# Altium PCB FM_V0.1.PcbDoc (part 3 of 3)
Units mm, origin at the board's own origin, x right, y up, seen from the top; angles counter-clockwise.
Board outline 99.9 x 100.1 mm, 2 copper layers (Top Layer, Bottom Layer); 147 components, 106 nets, 533 pads, 1581 vias.
Unrouted connection lines stored in the file: 2.
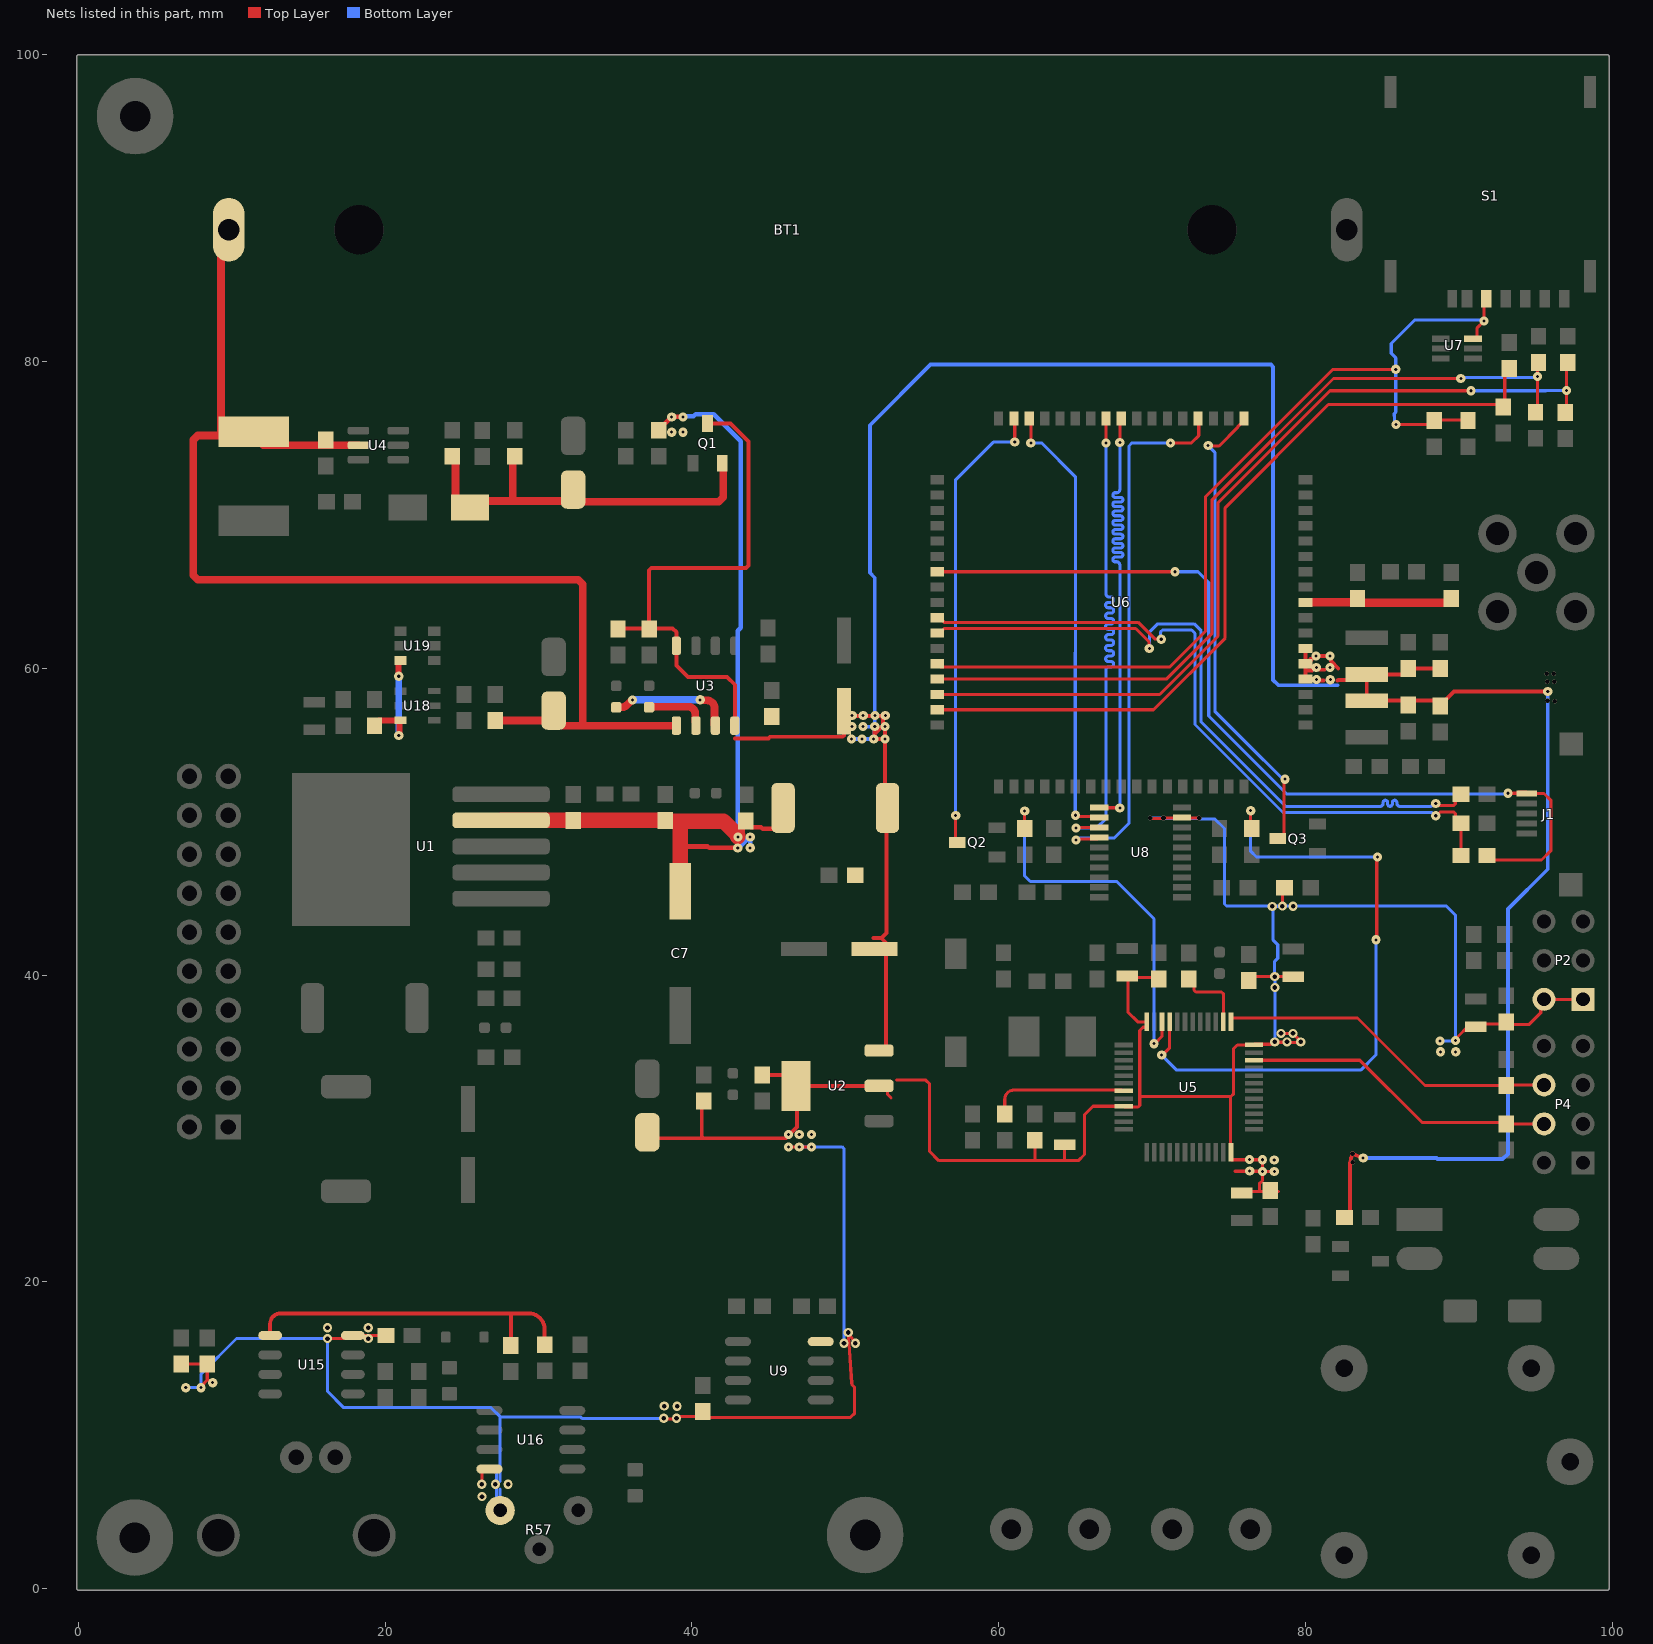
[diagram p3: the nets of this part, all layers, seen from the top]

## Via types
v1: diameter 0.3, hole 0.3, Top Layer to Bottom Layer, tented both sides, 1189 vias
v2: diameter 0.7, hole 0.3, Top Layer to Bottom Layer, tented both sides, 190 vias
v3: diameter 0.6, hole 0.2, Top Layer to Bottom Layer, tented both sides, 153 vias
v4: diameter 0.6, hole 0.3, Top Layer to Bottom Layer, tented both sides, 33 vias
v5: diameter 0.7, hole 0.3, Top Layer to Bottom Layer, 15 vias
v6: diameter 0.6, hole 0.2, Top Layer to Bottom Layer, 1 vias

## Nets (pads, with @x,y where several pads share a name; then routed paths per layer and width w, separated by ;. In a path a pad name is that pad's centre, name@x,y a point inside that pad or via, vN(x,y) a via of type N, cw(c..) or ccw(c..) an arc to the next point about the centre after c; other vN are vias at no path point) (continued)
PIN_B-: C63.1 U18.6 U19.3 | length 7.9
  Top Layer w0.4: C63.1@19.304,56.261 19.304,56.309 19.604,56.609 20.989,56.609 20.968,56.609 20.925,56.566 20.925,55.657 v3(20.887,55.619) ; U19.3@20.828,60.584 20.839,60.584 20.878,60.545 20.878,59.493 v3(20.885,59.486)
  Bottom Layer w0.4: v3(20.885,59.486) 20.885,55.621 v3(20.887,55.619)
PIN_OUT+: "L1 - 22uH.1" BT1.1 C15.1 C16.2 R8.1 U3.5 U4.5 | length 82.5
  Top Layer w0.5: 9.3,75.184 7.786,75.184 7.493,74.891 7.493,66.079 7.786,65.786 32.6,65.786 32.893,65.493 32.893,56.269 ; BT1.1@9.405,88.6 9.3,88.495 9.3,75.417 9.779,75.417 10.805,75.417 11.43,75.417 ; 9.779,75.184 10.805,75.184 10.055,75.934 ; 11.43,75.184 12.065,74.549 16.129,74.549 U4.5@18.258,74.549 ; C16.2@27.183,56.603 30.449,56.603 30.855,57.01 30.987,57.142 C15.1@30.987,57.246 ; C15.1@30.987,56.877 31.595,56.269 32.893,56.269 ; U3.5@38.988,56.269 32.893,56.269
PIN_RESET: R22.1 U5.7 | length 9
  Top Layer w0.2: R22.1@60.4,31 60.4,31.9 cw(c61,31.9) 61,32.5 68.018,32.5 U5.7@68.15,32.45
Po: R39.2 R60.2 U15.1 | length 22.2
  Top Layer w0.254: U15.1@12.5,16.505 12.5,17.259 cw(c13.189,17.257) 13.186,17.946 28.2,17.946 ; R60.2@28.2,16.199 28.2,17.946 ; R39.2@30.4,16.062 30.4,16.901 ; 30.4,16.902 ccw(c29.352,16.898) 29.352,17.946 28.2,17.946
PWR_KEY_FR_MCU: R29.2 U5.45 | length 42.4
  Top Layer w0.2: v3(70.632,34.782) 70.674,34.782 71.15,35.258 U5.45@71.15,36.95 ; v3(76.433,50.722) 76.433,49.617 R29.2@76.5,49.55 ; v3(84.6,42.3) 84.652,42.352 84.652,47.645 v3(84.704,47.696)
  Bottom Layer w0.2: v3(70.632,34.782) 71.615,33.8 83.6,33.8 84.6,34.8 v3(84.6,42.3) ; v3(76.433,50.722) 76.433,48.609 76.433,48.074 76.811,47.696 v3(84.704,47.696)
PWR_KEY_PIN: Q3.3 U6.1 | length 31.3
  Top Layer w0.2: v3(73.663,74.524) 73.687,74.5 74.374,74.5 75.6,75.726 75.6,75.75 76,76.15 U6.1@76,76.3 ; Q3.3@78.2,48.9 78.35,48.9 78.6,49.15 78.6,52.7 v3(78.674,52.774)
  Bottom Layer w0.2: v3(73.663,74.524) 74.1,74.087 74.1,57.2 76.275,55.025 78.376,52.924 78.416,52.924 78.566,52.774 v3(78.674,52.774)
RESET_PIN: Q2.3 U6.16 | length 30.1
  Top Layer w0.2: v3(57.2,50.4) 57.2,48.75 Q2.3@57.3,48.65 ; U6.16@61,76.3 61.049,76.251 v3(61.049,74.752)
  Bottom Layer w0.2: v3(57.2,50.4) 57.2,72.3 59.652,74.752 v3(61.049,74.752)
RESET_PIN_FR_MCU: R28.2 U5.46 | length 24.8
  Top Layer w0.2: R28.2@61.7,49.55 v3(61.7,50.7) ; v3(70.133,35.531) 70.177,35.531 70.65,36.004 U5.46@70.65,36.95
  Bottom Layer w0.2: v3(61.7,50.7) 61.7,46.466 62.066,46.1 67.7,46.1 70.133,43.667 v3(70.133,35.531)
RF_ANT: C38.2 R32.2 U6.60 | length 9.8
  Top Layer w0.55: U6.60@80,64.3 83.15,64.3 C38.2@83.4,64.55 83.665,64.285 89.235,64.285 R32.2@89.5,64.55
RI: U6.4 U8.4 | length 36.1
  Top Layer w0.2: v3(65.043,48.8) 65.119,48.877 66.457,48.877 U8.4@66.556,48.975 ; v3(71.2,74.7) 72.575,74.7 73.048,75.173 73.048,76.252 U6.4@73,76.3
  Bottom Layer w0.2: v3(65.043,48.8) 65.151,48.8 65.289,48.938 67.538,48.938 68.5,49.9 68.5,74.5 68.7,74.7 v3(71.2,74.7)
RXD: U6.10 U8.3 | length 35
  Top Layer w0.2: v3(65.043,49.6) 65.055,49.612 66.543,49.612 U8.3@66.556,49.625 ; v3(67,74.7) U6.10@67,76.3
  Bottom Layer w0.2: v3(65.043,49.6) 66.4,49.6 67,50.2 67,59.45 67,59.9 cw(c67.2,59.9) 67.2,60.1 67.324,60.1 ccw(c67.324,60.275) 67.499,60.275 ccw(c67.324,60.275) 67.324,60.45 67.15,60.45 cw(c67.15,60.625) 66.975,60.625 cw(c67.15,60.625) 67.15,60.8 67.324,60.8 ccw(c67.324,60.975) 67.499,60.975 ccw(c67.324,60.975) 67.324,61.15 67.15,61.15 cw(c67.15,61.325) 66.975,61.325 cw(c67.15,61.325) 67.15,61.5 67.324,61.5 ccw(c67.324,61.675) 67.499,61.675 ccw(c67.324,61.675) 67.324,61.85 67.15,61.85 cw(c67.15,62.025) 66.975,62.025 cw(c67.15,62.025) 67.15,62.2 67.324,62.2 ccw(c67.324,62.375) 67.499,62.375 ccw(c67.324,62.375) 67.324,62.55 67.15,62.55 cw(c67.15,62.725) 66.975,62.725 cw(c67.15,62.725) 67.15,62.9 67.324,62.9 ccw(c67.324,63.075) 67.499,63.075 ccw(c67.324,63.075) 67.324,63.25 67.15,63.25 cw(c67.15,63.425) 66.975,63.425 cw(c67.15,63.425) 67.15,63.6 67.324,63.6 ccw(c67.324,63.775) 67.499,63.775 ccw(c67.324,63.775) 67.324,63.95 67.15,63.95 cw(c67.15,64.125) 66.975,64.125 cw(c67.15,64.125) 67.15,64.3 67.324,64.3 ccw(c67.324,64.475) 67.499,64.475 ccw(c67.324,64.475) 67.324,64.65 67.2,64.65 cw(c67.2,64.85) 67,64.85 67,65.419 v3(67,74.7)
SIM_CLK: C47.2 R37.2 U6.32 | length 62.3
  Top Layer w0.2: U6.32@56,58.3 70.5,58.3 74.3,62.1 74.3,70.8 81.6,78.1 v3(90.8,78.1) ; R37.2@97,79.725 97.032,79.692 v3(97.032,78.11) 97.032,76.751 C47.2@97.113,76.671
  Bottom Layer w0.2: 95.683,78.1 v3(90.8,78.1) 90.805,78.105 97.027,78.105 v3(97.032,78.11)
SIM_DATA: C46.2 R38.2 U6.31 | length 55.6
  Top Layer w0.2: U6.31@56,59.3 70.934,59.3 73.9,62.266 73.9,70.966 81.834,78.9 v3(90.134,78.9) ; R38.2@94.991,79.914 95.129,79.775 v3(95.129,79.024) ; C46.2@95,76.7 95.123,76.823 95.123,78.839 95.042,78.919 v3@95,78.919
  Bottom Layer w0.2: v3(90.134,78.9) 90.189,78.955 94.983,78.955 v3@95.038,79.01
SIM_RST: C48.2 R36.2 U6.33 | length 53.2
  Top Layer w0.2: U6.33@56,57.3 70.1,57.3 74.767,61.967 74.767,70.467 81.5,77.2 C48.2@92.699,77.2 ; C48.2@92.7,77.2 92.7,76.7 93,77 R36.2@93,79.4
SIM_VDD: C49.2 C50.2 S1.1 U6.30 U7.6 | length 63.8
  Top Layer w0.2: U6.30@56,60.3 56.2,60.1 71.169,60.1 73.5,62.431 73.5,71.2 81.8,79.5 v3(85.894,79.5) ; v3(85.9,75.9) 88.15,75.9 C49.2@88.4,76.15 ; C49.2@88.4,76.2 C50.2@90.94,76.2 ; U7.6@91.2,81.639 91.2,82.2 v3(91.651,82.651) 91.651,83.693 S1.1@91.8,83.843 ; S1.1@91.58,83.741 S1.1@91.58,84.403 ; S1.1@91.8,83.87 S1.1@91.8,84.09
  Bottom Layer w0.2: v3@85.894,79.478 85.894,76.702 85.792,76.6 85.792,76.456 85.823,76.424 85.823,75.977 v3(85.9,75.9) ; v3(85.894,79.5) 85.894,80.249 85.6,80.542 85.6,81.183 87.117,82.7 91.601,82.7 v3(91.651,82.651)
SWCLK: P4.7 R9.1 U5.37 | length 22.5
  Top Layer w0.2: U5.37@75.15,36.95 75.15,37.15 75.2,37.2 76.124,37.2 83.4,37.2 87.8,32.8 R9.1@93.1,32.8 93.14,32.84 P4.7@95.56,32.84 P4.7@95.56,32.85
SWDIO: P4.6 R20.1 U5.34 | length 20.8
  Top Layer w0.2: U5.34@76.65,34.45 83.55,34.45 87.6,30.4 93,30.4 R20.1@93.1,30.3 P4.6@95.56,30.3 P4.6@95.692,30.3
TP_CH: D3.2 U3.7 | length 8
  Top Layer w0.5: D3.2@35.147,57.454 35.153,57.46 35.402,57.46 ccw(c35.402,57.96) 35.743,57.595 v3(36.12,57.947) ; v3(40.542,57.949) ccw(c40.725,58.414) 40.724,57.914 40.978,57.914 cw(c40.978,57.414) 41.478,57.414 41.478,56.319 U3.7@41.528,56.269
  Bottom Layer w0.5: v3(36.12,57.947) 37.419,57.949 ; 37.42,57.949 40.514,57.949 ccw(c40.514,58.449) 40.515,57.949 v3(40.542,57.949)
TP_STD: D19.2 U3.6 | length 4
  Top Layer w0.5: D19.2@37.211,57.466 37.311,57.501 39.727,57.501 cw(c39.727,57.001) 40.227,57.001 40.227,56.619 U3.6@40.258,56.269
TXD: U6.9 U8.1 | length 34.8
  Top Layer w0.2: U8.1@66.556,50.925 66.568,50.912 67.887,50.912 v3(67.9,50.9) ; v3(67.899,74.734) 67.899,76.199 U6.9@68,76.3
  Bottom Layer w0.2: v3@67.899,50.901 67.899,66.187 67.899,66.75 ccw(c67.699,66.75) 67.699,66.95 67.596,66.95 cw(c67.596,67.1) 67.596,67.25 67.95,67.25 ccw(c67.95,67.4) 67.95,67.55 67.596,67.55 cw(c67.596,67.7) 67.596,67.85 67.95,67.85 ccw(c67.95,68) 67.95,68.15 67.596,68.15 cw(c67.596,68.3) 67.596,68.45 67.95,68.45 ccw(c67.95,68.6) 67.95,68.75 67.596,68.75 cw(c67.596,68.9) 67.596,69.05 67.95,69.05 ccw(c67.95,69.2) 67.95,69.35 67.596,69.35 cw(c67.596,69.5) 67.596,69.65 67.95,69.65 ccw(c67.95,69.8) 67.95,69.95 67.596,69.95 cw(c67.596,70.1) 67.596,70.25 67.95,70.25 ccw(c67.95,70.4) 67.95,70.55 67.596,70.55 cw(c67.596,70.7) 67.596,70.85 67.95,70.85 ccw(c67.95,71) 67.95,71.15 67.596,71.15 cw(c67.596,71.3) 67.596,71.45 67.699,71.45 ccw(c67.699,71.65) 67.899,71.65 67.899,72.05 v3(67.899,74.734)
UBATT_LED_PIN: R23.1 U5.38 | length 4.7
  Top Layer w0.2: R23.1@72.43,39.758 72.741,39.446 72.741,39.017 72.859,38.9 74.533,38.9 74.65,38.783 U5.38@74.65,36.95
USB_N: R47.2 U6.28 | length 46.4
  Top Layer w0.2: U6.28@56,62.3 56.15,62.3 56.45,62.6 68.93,62.6 69.803,61.726 69.803,61.322 v3(69.825,61.3) ; v3(88.5,51.191) 88.608,51.191 88.752,51.047 89.653,51.047 89.77,51.164 89.77,51.42 R47.2@90.15,51.8
  Bottom Layer w0.2: v3(69.825,61.3) 69.825,62.353 70.372,62.9 72.749,62.9 73.2,62.449 73.2,56.5 78.7,51 84.766,51 84.866,51 ccw(c84.866,51.2) 85.066,51.2 85.066,51.25 cw(c85.216,51.25) 85.366,51.25 85.366,51.15 ccw(c85.516,51.15) 85.666,51.15 85.666,51.25 cw(c85.816,51.25) 85.966,51.25 85.966,51.2 ccw(c86.166,51.2) 86.166,51 87.409,51 88.201,51 88.392,51.191 v3(88.5,51.191)
USB_P: R48.2 R49.1 U6.27 | length 46.5
  Top Layer w0.2: U6.27@56,63.3 56.15,63.3 56.45,63 69.096,63 70.174,61.922 70.578,61.922 v3(70.6,61.9) ; v3(88.5,50.391) 88.549,50.391 88.805,50.647 89.66,50.647 89.778,50.53 89.778,50.3 90.178,49.9 90.2,49.9 90.15,49.85 R49.1@90.15,47.8
  Bottom Layer w0.2: v3(70.6,61.9) 70.566,61.934 70.566,62.383 70.683,62.5 72.583,62.5 72.8,62.283 72.8,56.334 78.534,50.6 80.4,50.6 80.7,50.6 81.7,50.6 82.9,50.6 84.403,50.6 84.766,50.6 84.95,50.6 88.242,50.6 88.451,50.391 v3(88.5,50.391)
VBATT: C1.1 C2.2 C13.1 C14.2 C28.2 C29.2 C30.2 C31.2 C32.2 C33.2 D2.2 Q1.3 R10.2 R12.2 R45.1 U2.3 U3.4 U3.8 U6.55 U6.56 U6.57 | length 221.4
  Top Layer w0.254: R10.2@35.179,62.572 35.218,62.611 R12.2@37.211,62.611 ; R12.2@37.211,62.572 R12.2@37.211,62.611 ; Q1.3@41.021,75.976 42.515,75.976 43.688,74.803 43.688,66.697 43.539,66.548 37.36,66.548 37.211,66.399 R12.2@37.211,62.611 ; U3.8@42.798,56.269 42.798,58.929 42.291,59.436 39.751,59.436 38.988,60.199 U3.4@38.988,61.469 38.988,62.358 38.735,62.611 R12.2@37.211,62.611 ; 42.799,55.439 44.986,55.439 45.085,55.538 49.823,55.538 49.911,55.626 49.911,56.573 50.234,56.896 51.167,56.896 51.936,56.896 52.302,56.896 52.451,56.747 52.451,56.2 v3@52.526,56.125 ; 51.83,42.418 52.343,42.418 ; v3@51.855,55.382 v3@51.873,55.4 ; v3@51.924,56.193 51.889,56.159 51.889,55.721 v3@51.889,55.416 ; U2.3@52.197,35.08 52.399,35.08 52.666,35.347 52.666,37.465 52.666,42.095 52.343,42.418 ; v3@52.4,56.2 51.921,55.721 51.921,55.448 v3@51.889,55.416 ; v3(52.6,56.2) v3@52.6,55.549 ; U6.57@80,61.3 80,60.419 U6.56@80,60.3 ; 81.185,59.199 81.183,59.201 80.79,59.201 80.708,59.284 80.016,59.284 U6.55@80,59.3 80,59.855 ; 81.249,59.913 80.94,59.913 80.805,60.048 80.618,60.048 80.425,59.855 80,59.855 ; 82.097,59.196 82.153,59.252 83.652,59.252 C28.2@84,59.6 ; 82.14,59.979 82.14,59.995 81.666,60.468 81.666,60.734 v3(81.6,60.8) 80.606,60.8 80.429,60.623 80.323,60.623 80.323,60.473 80.15,60.3 U6.56@80,60.3 ; R45.1@82.55,24.2 82.9,24.55 82.9,27.643 cw(c83.154,27.643) 82.902,27.673 82.907,27.714 cw(c83.159,27.683) 82.911,27.738 82.986,28.074 cw(c83.234,28.018) 82.991,28.09 v1(83.071,28.361) v3(83.769,28.069) ; C30.2@88.8,60 C31.2@86.7,60 86.7,59.973 86.327,59.6 C28.2@84,59.6 ; v3(95.8,58.5) 89.7,58.5 88.8,57.6 C33.2@88.8,57.55 88.45,57.9 86.7,57.9 C29.2@84,57.9 C28.2@84,59.6 ; v3@51.873,55.4 v3@51.889,55.416 ; v3@51.873,55.4 52.451,55.4 52.526,55.475 v3@52.6,55.549 ; 52.343,42.418 52.358,42.418 52.681,42.741 52.681,49.657 52.6,49.738 v3(52.6,55.4) v3@52.6,55.549 ; 80,59.855 U6.56@80,60.3
  Bottom Layer w0.254: v3(50.4,55.4) v3(51.1,55.4) 51.109,55.391 51.845,55.391 51.855,55.382 51.889,55.416 51.889,56.159 v3@51.924,56.193 ; v3@51.173,56.193 v3@51.924,56.193 ; 82.097,58.896 82.095,58.898 81.225,58.898 81.223,58.899 78.249,58.899 77.9,59.249 77.9,79.651 77.751,79.8 55.549,79.8 51.6,75.851 51.6,66.231 51.924,65.907 v3(51.924,56.2) v3@51.924,56.193 ; v3(83.769,28.069) 88.547,28.069 88.616,28 92.859,28 93.2,28.341 93.2,44.3 95.8,46.9 v3(95.8,58.5)
  other v1: 83.086,27.792 96.27,57.868 95.783,57.883 95.775,59.124 96.224,59.125 95.735,59.641 96.194,59.64
  other v3: 51.855,55.4 50.436,56.21 51.155,56.2 50.449,56.932 51.167,56.922 51.936,56.922 52.612,56.922 80.724,59.267 81.624,59.264 80.711,60.048 81.611,60.048 80.7,60.8
VBUS: J1.1 R49.2 U6.24 | length 59.1
  Top Layer w0.2: U6.24@56,66.3 v3(71.5,66.3) ; R49.2@91.85,47.8 92.15,47.5 95.4,47.5 96,48.1 96,51.4 95.556,51.844 J1.1@94.43,51.844 ; v3(93.219,51.857) 93.832,51.857 93.925,51.95 J1.1@94.43,51.95
  Bottom Layer w0.2: v3(71.5,66.3) 73,66.3 73.7,65.6 73.7,56.9 78.8,51.8 93.157,51.8 v3@93.166,51.791
VCC_3.3V_MCU: C3.1 C4.2 C9.2 C10.2 C11.2 C18.2 C21.2 C22.2 C23.2 C24.2 C25.2 C27.2 C34.2 P2.1 P2.4 R1.2 R26.2 R33.2 R50.1 R51.1 R57.3 U2.2 U5.9 U5.24 U5.36 U5.48 U8.19 U9.8 U15.8 U16.8 | length 242.4
  Top Layer w0.2: R50.1@6.7,14.65 R51.1@8.4,14.65 8.4,13.6 ; v3(8,13.1) 8,13.2 8.4,13.6 ; v3(8.756,13.426) 8.648,13.426 8.473,13.6 8.4,13.6 ; v4(16.238,16.302) v4(16.238,16.302) 17.696,16.301 U15.8@17.9,16.505 U15.8@18.483,16.505 ; U15.8@18.593,16.5 R33.2@19.95,16.5 ; R33.2@19.95,16.6 R33.2@20.05,16.5 ; v4(26.3,6.8) 26.325,6.825 26.325,7.61 26.51,7.795 U16.8@26.8,7.795 ; U16.8@27.1,7.695 U16.8@27.178,7.617 ; v4(38.161,11.102) 38.198,11.065 39.068,11.065 39.221,11.218 40.318,11.218 40.577,11.477 40.602,11.452 40.9,11.154 50.333,11.154 50.611,11.432 50.611,13.114 50.482,13.243 ; v3(46.3,28.8) v3(47,28.8) v3(47.8,28.8) v3@47.8,28.7 ; U9.8@48.4,16.105 48.42,16.125 U9.8@49.08,16.125 ; 50.482,13.243 cw(c50.624,13.384) 50.424,13.371 50.279,15.528 50.22,16.403 v4(50.2,16.7) v4(50.658,15.993) ; U2.2@52.197,32.78 52.468,32.78 52.761,32.488 52.761,32.216 52.977,32 ; 53.34,33.147 55.253,33.147 55.5,32.9 55.5,28.5 56.1,27.9 62.4,27.9 ; C25.2@62.358,29.233 62.358,27.942 62.4,27.9 ; C18.2@64.147,29.1 C18.2@64.306,28.941 64.306,28.006 64.3,28 ; v1(69.897,50.243) 69.917,50.223 70.74,50.223 70.749,50.214 70.78,50.245 71.926,50.245 U8.19@71.956,50.275 71.985,50.246 73.06,50.246 v1@73.09,50.216 ; C23.2@70.437,39.758 70.351,39.844 68.421,39.844 68.421,37.6 69.071,36.95 U5.48@69.65,36.95 69.65,36.65 69.6,36.6 69.409,36.6 69.2,36.391 69.2,31.98 ; 75.103,32.08 75.103,28.497 U5.24@75.15,28.45 ; U5.24@75.15,28.012 75.2,27.962 v3(77.196,27.962) 77.198,27.96 77.198,27.202 v3(77.2,27.2) ; 75.413,27.205 75.42,27.212 76.361,27.212 v3(76.368,27.219) 76.378,27.21 77.19,27.21 v3(77.2,27.2) ; C10.2@76,25.8 76.35,25.8 76.45,25.9 77,25.9 ; C27.2@76.4,39.65 76.65,39.9 C22.2@79.013,39.9 ; v3(77.973,27.19) 77.968,27.195 77.205,27.195 v3(77.2,27.2) ; 78.25,25.9 77,25.9 ; v4(78.407,36.2) 79.181,36.2 79.7,35.681 79.7,35.6 78.8,35.6 78.777,35.623 78.028,35.623 v4(78.005,35.646) 77.897,35.646 77.744,35.493 76.693,35.493 76.647,35.447 75.56,35.447 75.3,35.188 75.3,32.23 75.15,32.08 69.3,32.08 69.2,31.98 ; v4(78.5,44.5) 78.5,45.55 C34.2@78.65,45.7 ; v3(89.789,35.734) 89.789,35.839 90.75,36.8 92.95,36.8 C9.2@93.1,36.95 93.281,36.769 94.569,36.769 95.348,37.548 95.348,38.208 P2.4@95.56,38.42 P2.1@98.1,38.42 ; 62.4,27.9 65.2,27.9 65.6,28.3 65.6,30.9 66.15,31.45 U5.9@68.15,31.45 68.2,31.4 69.1,31.4 69.2,31.5 69.2,31.98 ; 77,25.9 77,26.396 77.2,26.596 v3(77.2,27.2)
  Top Layer w0.254: C3.1@37.211,29.365 40.767,29.365 ; C4.2@40.64,31.369 40.64,29.492 40.767,29.365 ; R1.2@44.45,33.489 R1.2@44.577,33.489 46.088,33.489 U2.2@46.797,32.78 ; U2.2@52.197,32.78 U2.2@46.797,32.78 ; 40.767,29.365 46.129,29.365 46.863,30.099 46.863,32.714 U2.2@46.797,32.78
  Bottom Layer w0.2: v3(7,13.1) v3(8,13.1) 8,14 10.302,16.302 v4(16.238,16.302) 16.238,12.862 17.3,11.8 26.9,11.8 27.5,11.2 ; 27.178,7.617 27.255,7.54 27.255,5.345 R57.3@27.5,5.1 27.5,6.5 ; 27.5,7 27.5,11.2 ; v4(38.161,11.102) 32.825,11.102 32.727,11.2 27.5,11.2 ; v3(47,28.8) 49.798,28.8 49.915,28.683 49.915,17.311 49.921,17.305 49.921,17.056 49.915,17.05 v4(49.915,15.996) ; v1(69.897,50.243) 69.911,50.229 70.735,50.229 70.764,50.2 73.073,50.2 73.09,50.216 73.137,50.169 74.106,50.169 74.721,49.554 74.721,44.638 74.859,44.5 77.816,44.5 v4(77.836,44.48) ; v4(78.005,35.646) 78.009,35.65 78.009,39.191 v4(78.013,39.194) 78.006,39.201 78.006,39.894 v4(78,39.9) 78,40.895 78.2,41.095 78.2,41.981 77.9,42.281 77.9,44.416 v4(77.836,44.48) ; v3(88.774,35.698) 88.792,35.716 89.771,35.716 89.8,35.745 89.8,43.883 89.183,44.5 79.208,44.5 v4(79.197,44.489) 79.192,44.495 78.505,44.495 v4(78.5,44.5) 78.49,44.49 77.845,44.49 v4(77.836,44.48)
  other v1: 70.749,50.243 73.09,50.243
  other v3: 77.969,27.952 76.364,27.981 46.3,29.6 47,29.6 47.8,29.6 88.8,35 89.8,35
  other v4: 26.315,6 27.185,6.807 28.015,6.8 38.997,11.102 39.037,11.89 38.2,11.9 18.9,16.302 16.238,17.003 18.9,17.003 78.8,35.646 79.7,35.646 79.193,36.2
VCC_5V_BACKUP: C12.2 C17.1 D8.2 Q1.2 R14.1 | length 26.6
  Top Layer w0.5: R14.1@24.384,73.826 24.582,73.628 24.582,71.085 25.182,70.485 25.273,70.485 25.699,70.91 28.321,70.91 31.719,70.91 32.258,71.449 32.258,71.624 32.258,71.405 32.797,70.866 41.744,70.866 42.037,71.159 Q1.2@42.037,73.477 ; 28.321,71.085 C12.2@28.321,73.699
VCC_5V_COMPARE: C7.1 C8.2 D2.1 R4.1 R5.2 R15.1 U1.4 | length 62.7
  Top Layer w0.3: R15.1@37.846,75.526 37.846,75.576 v3@38.674,76.404 ; v3@38.683,76.404 v3@38.674,76.404 ; 39.243,48.387 41.031,48.387 41.121,48.297 v3(42.991,48.297) ; v3@39.356,76.383 39.346,76.393 38.684,76.393 v3@38.674,76.404 ; v3(43,49) 43.299,49.299 43.299,49.849 43.5,50.05 43.5,50 43.85,49.65 44.503,49.65 44.623,49.53 D2.1@45.871,49.53
  Top Layer w1: U1.4@27.559,50.087 R4.1@32.131,50.087 ; R4.1@32.258,50.077 32.258,50.098 38.262,50.098 C8.2@38.262,50.084 38.262,50.034 39.134,50.034 39.243,49.925 39.243,48.387 C7.1@39.243,45.466 ; 39.243,50.038 42.062,50.038 43,49.1 v3(43,49)
  Bottom Layer w0.3: v3@39.356,76.383 39.404,76.431 40.106,76.431 40.256,76.581 41.419,76.581 43.18,74.82 43.18,62.641 43,62.461 43,48.919 43.18,48.739 43.18,48.65 ; v3(42.991,48.297) 43.044,48.297 43.747,49 v3(43.8,49) v3(43.8,48.3)
  other v3: 38.683,75.4 39.424,75.4 38.683,76.383 39.424,76.383
VDD_EXT_1V8: U6.15 U8.2 | length 29.1
  Top Layer w0.2: U6.15@62,76.3 62.1,76.2 v3(62.1,74.7) ; v3(65.019,50.424) 65.093,50.35 66.481,50.35 U8.2@66.556,50.275
  Bottom Layer w0.2: v3(62.1,74.7) 62.8,74.7 65,72.5 65,61.031 64.993,61.024 64.993,50.45 v3(65.019,50.424)
pads on no net: AT1.2 BT1. C26.0 C36.0 D11.0 D12.0 J1.4 P4.3 P4.4 RL1.2 S1.6 S1.CD U4.6 U5.1 U5.2 U5.3 U5.4 U5.18 U5.29 U5.30 U5.31 U5.32 U5.33 U5.39 U5.40 U6.3 U6.5 U6.6 U6.7 U6.8 U6.11 U6.12 U6.13 U6.14 U6.19 U6.20 U6.21 U6.22 U6.23 U6.25 U6.26 U6.34 U6.35 U6.36 U6.37 U6.38 U6.40 U6.41 U6.42 U6.43 U6.44 U6.47 U6.48 U6.49 U6.50 U6.51 U6.53 U6.66 U6.67 U6.68 U7.0 U7.1 U8.5 U8.6 U8.7 U8.8 U8.13 U8.14 U8.15 U8.16 U9.5 U9.6 U9.7 U16.5 U16.6 U16.7 U18.4 U19.2 U19.5

## Keep-outs
Keep-Out Layer:
  lines w0.2: 0,0 0,21.6 0,99.9 99.7,99.9 99.7,23.6 99.7,0 0,0

## Other copper
Top Layer:
  drawing of 321 lines, arcs and shapes, not listed
Bottom Layer:
  drawing of 259 lines, arcs and shapes, not listed

## Silkscreen, mask and mechanical layers (free items; w line width, h text height)
Top Overlay:
  drawing of 745 lines, arcs and shapes, not listed

## Dimensions
-0.2,99.9 to -0.1,0 on Mechanical 10 - Dimension
-0.1,99.9 to 99.7,100 on Mechanical 10 - Dimension

## Text inside footprints (layer, text, board x,y; h text height)
J1: Top Overlay "USB" at 92.43,48.544 h0.9 r270
JP1: Top Overlay "2" at 5.842,27.559 h0.9; Top Overlay "1" at 10.16,27.559 h0.9; Top Overlay "20" at 4.953,54.61 h0.9; Top Overlay "19" at 9.652,54.61 h0.9
U6: Top Overlay "17" at 60.19,74.81 h0.9 r180; Top Overlay "18" at 57.46,72.36 h0.9 r270; Top Overlay "1" at 76.14,74.81 h0.9 r180; Top Overlay "68" at 78.52,70.86 h0.9 r90; Top Overlay "34" at 57.5,57.156 h0.9 r270; Top Overlay "35" at 60.69,55.18 h0.9 r180; Top Overlay "52" at 78.47,55.49 h0.9 r90; Top Overlay "51" at 76.34,55.08 h0.9 r180; Top Overlay "SIM 7670C" at 64.5,63.9 h0.9